# Altium PCB AD9361_EXT.PcbDoc (part 9 of 9)
Units mil, origin at the board's own origin, x right, y up, seen from the top; angles counter-clockwise.
Board outline 3145.03 x 1955.03 mil, 2 copper layers (Top Layer, Bottom Layer); 53 components, 59 nets, 286 pads, 253 vias.
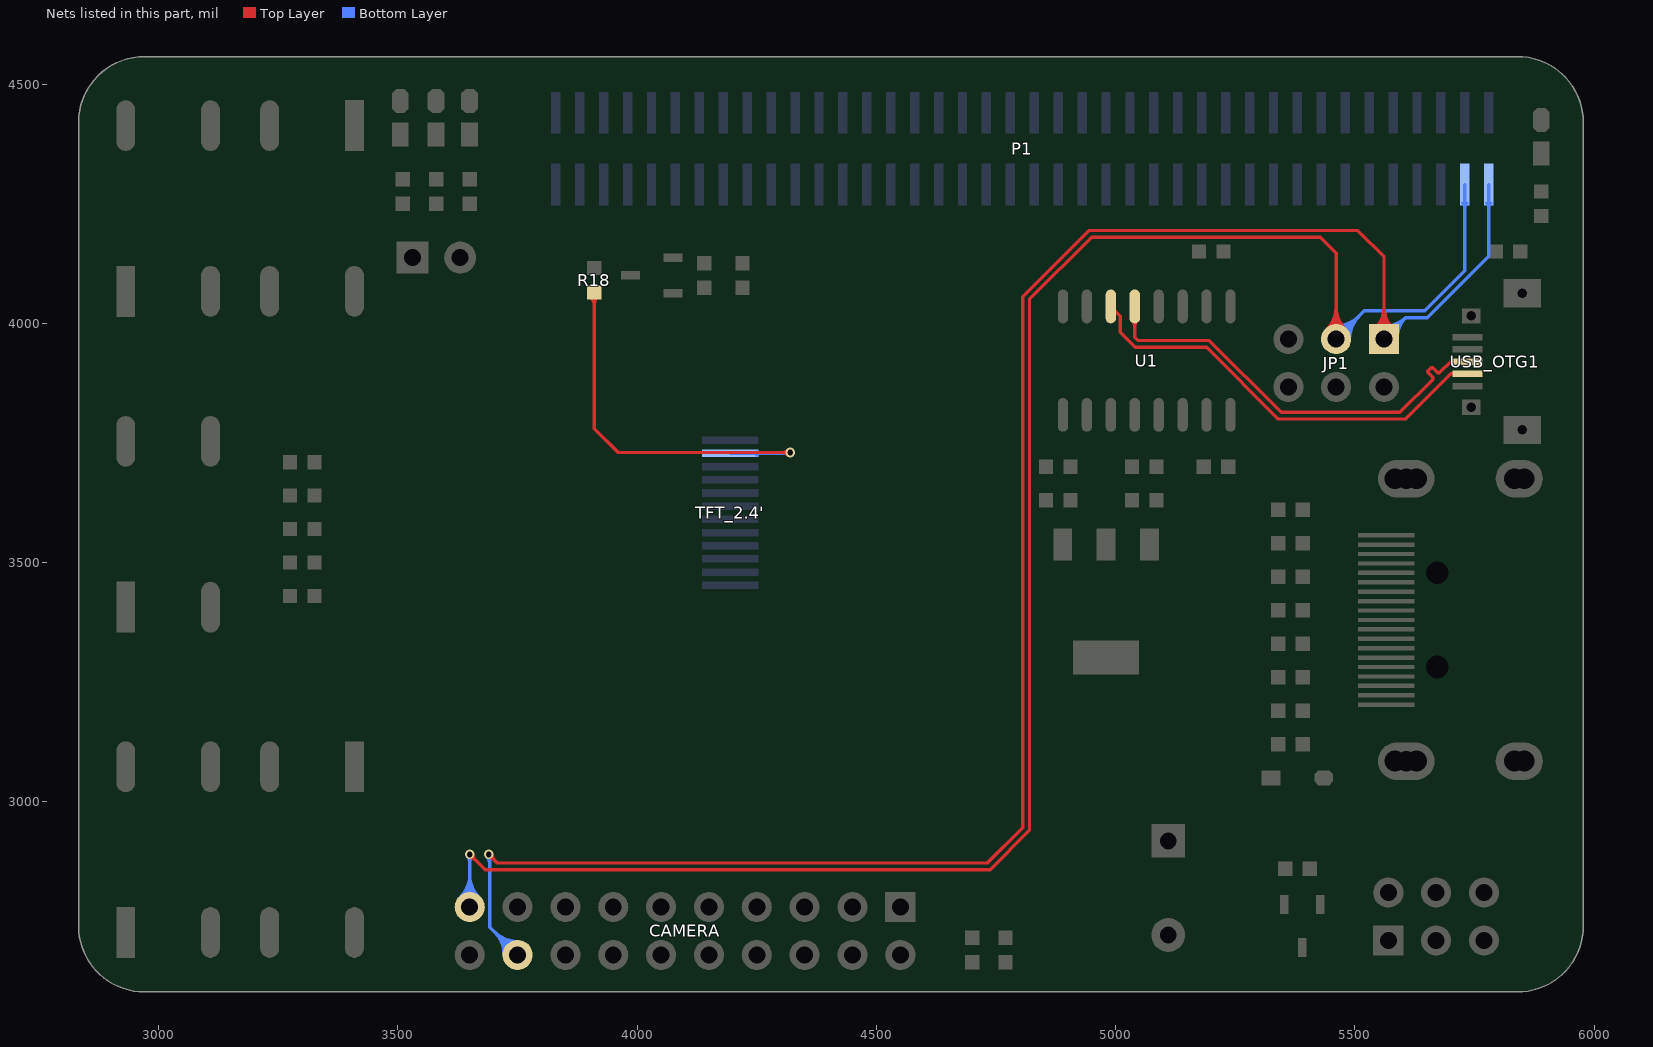
[diagram p9: the nets of this part, all layers, seen from the top]

## Via types
v1: diameter 20, hole 12, Top Layer to Bottom Layer, tented both sides, 253 vias

## Nets (pads, with @x,y where several pads share a name; then routed paths per layer and width w, separated by ;. In a path a pad name is that pad's centre, name@x,y a point inside that pad or via, vN(x,y) a via of type N, cw(c..) or ccw(c..) an arc to the next point about the centre after c; other vN are vias at no path point) (continued)
NetR18_1: R18.1 TFT_2.4'.2 | length 1278.9
  Top Layer w7: R18.1@3910,4064.4 3910,3780 3960,3730 v1(4320,3730) ; R18.1@3901.87,4056.27 cw(c3882.24,4036.64) 3910,4036.64 ; R18.1@3901.87,4056.27 cw(c3882.24,4036.64) 3910,4036.64 ; R18.1@3901.87,4056.27 cw(c3882.24,4036.64) 3910,4036.64 ; R18.1@3901.87,4056.27 cw(c3882.24,4036.64) 3910,4036.64 ; 3910,4036.64 cw(c3937.77,4036.64) R18.1@3918.13,4056.27 ; 3910,4036.64 cw(c3937.77,4036.64) R18.1@3918.13,4056.27 ; 3910,4036.64 cw(c3937.77,4036.64) R18.1@3918.13,4056.27 ; 3910,4036.64 cw(c3937.77,4036.64) R18.1@3918.13,4056.27 ; 4304.31,3730 cw(c4304.31,3714.31) v1@4315.4,3725.4 ; 4304.31,3730 ccw(c4304.31,3745.69) v1@4315.4,3734.6 ; 4304.31,3730 cw(c4304.31,3714.31) v1@4315.4,3725.4 ; 4304.31,3730 ccw(c4304.31,3745.69) v1@4315.4,3734.6 ; 4304.31,3730 cw(c4304.31,3714.31) v1@4315.4,3725.4 ; 4304.31,3730 ccw(c4304.31,3745.69) v1@4315.4,3734.6 ; 4304.31,3730 cw(c4304.31,3714.31) v1@4315.4,3725.4 ; 4304.31,3730 ccw(c4304.31,3745.69) v1@4315.4,3734.6
  Bottom Layer w7: TFT_2.4'.2@4195,3728.03 4318.03,3728.03 v1(4320,3730) ; TFT_2.4'.2@4249.27,3724.94 cw(c4256.74,3717.47) 4256.74,3728.03 ; TFT_2.4'.2@4249.27,3724.94 cw(c4256.74,3717.47) 4256.74,3728.03 ; TFT_2.4'.2@4249.27,3724.94 cw(c4256.74,3717.47) 4256.74,3728.03 ; TFT_2.4'.2@4249.27,3724.94 cw(c4256.74,3717.47) 4256.74,3728.03 ; TFT_2.4'.2@4249.27,3731.12 ccw(c4256.74,3738.59) 4256.74,3728.03 ; TFT_2.4'.2@4249.27,3731.12 ccw(c4256.74,3738.59) 4256.74,3728.03 ; TFT_2.4'.2@4249.27,3731.12 ccw(c4256.74,3738.59) 4256.74,3728.03 ; TFT_2.4'.2@4249.27,3731.12 ccw(c4256.74,3738.59) 4256.74,3728.03 ; 4299.55,3728.03 ccw(c4299.55,3750.45) v1@4315.4,3734.6 ; 4299.55,3728.03 ccw(c4299.55,3750.45) v1@4315.4,3734.6 ; 4299.55,3728.03 ccw(c4299.55,3750.45) v1@4315.4,3734.6 ; 4299.55,3728.03 ccw(c4299.55,3750.45) v1@4315.4,3734.6 ; 4309.06,3728.03 cw(c4309.06,3719.06) v1@4315.4,3725.4 ; 4309.06,3728.03 cw(c4309.06,3719.06) v1@4315.4,3725.4 ; 4309.06,3728.03 cw(c4309.06,3719.06) v1@4315.4,3725.4 ; 4309.06,3728.03 cw(c4309.06,3719.06) v1@4315.4,3725.4
RX: CAMERA.19 JP1.3 P1.78 | length 7138.9
  Top Layer w7: v1(3650,2890) 3682,2858 4738,2858 4820,2940 4820,4050 4950,4180 5427.4,4180 5461,4146.4 JP1.3@5461,3967 ; v1@3649.51,2889.9 ccw(c3660.24,2892.1) 3657.41,2881.52 ; v1@3649.51,2889.9 ccw(c3660.24,2892.1) 3657.41,2881.52 ; v1@3649.51,2889.9 ccw(c3660.24,2892.1) 3657.41,2881.52 ; v1@3649.51,2889.9 ccw(c3660.24,2892.1) 3657.41,2881.52 ; v1@3649.51,2889.9 ccw(c3660.24,2892.1) 3657.41,2881.52 ; v1@3649.51,2889.9 ccw(c3660.24,2892.1) 3657.41,2881.52 ; v1@3650,2883.5 cw(c3650,2867.81) 3661.1,2878.9 ; v1@3650,2883.5 cw(c3650,2867.81) 3661.1,2878.9 ; v1@3650,2883.5 cw(c3650,2867.81) 3661.1,2878.9 ; v1@3650,2883.5 cw(c3650,2867.81) 3661.1,2878.9 ; v1@3650.1,2890.49 cw(c3647.9,2879.76) 3658.48,2882.59 ; v1@3650.1,2890.49 cw(c3647.9,2879.76) 3658.48,2882.59 ; v1@3650.1,2890.49 cw(c3647.9,2879.76) 3658.48,2882.59 ; v1@3650.1,2890.49 cw(c3647.9,2879.76) 3658.48,2882.59 ; v1@3650.1,2890.49 cw(c3647.9,2879.76) 3658.48,2882.59 ; v1@3650.1,2890.49 cw(c3647.9,2879.76) 3658.48,2882.59 ; v1@3656.5,2890 ccw(c3672.19,2890) 3661.1,2878.9 ; v1@3656.5,2890 ccw(c3672.19,2890) 3661.1,2878.9 ; v1@3656.5,2890 ccw(c3672.19,2890) 3661.1,2878.9 ; v1@3656.5,2890 ccw(c3672.19,2890) 3661.1,2878.9 ; JP1.3@5441.2,3986.8 ccw(c5393.41,4034.59) 5461,4034.59 ; JP1.3@5441.2,3986.8 ccw(c5393.41,4034.59) 5461,4034.59 ; JP1.3@5441.2,3986.8 ccw(c5393.41,4034.59) 5461,4034.59 ; JP1.3@5441.2,3986.8 ccw(c5393.41,4034.59) 5461,4034.59 ; JP1.3@5446.15,3981.85 ccw(c5410.31,4017.69) 5461,4017.69 ; JP1.3@5446.15,3981.85 ccw(c5410.31,4017.69) 5461,4017.69 ; JP1.3@5446.15,3981.85 ccw(c5410.31,4017.69) 5461,4017.69 ; JP1.3@5446.15,3981.85 ccw(c5410.31,4017.69) 5461,4017.69 ; JP1.3@5451.1,3976.9 ccw(c5427.21,4000.79) 5461,4000.79 ; JP1.3@5451.1,3976.9 ccw(c5427.21,4000.79) 5461,4000.79 ; JP1.3@5451.1,3976.9 ccw(c5427.21,4000.79) 5461,4000.79 ; JP1.3@5451.1,3976.9 ccw(c5427.21,4000.79) 5461,4000.79 ; 5461,4000.79 ccw(c5494.79,4000.79) JP1.3@5470.9,3976.9 ; 5461,4000.79 ccw(c5494.79,4000.79) JP1.3@5470.9,3976.9 ; 5461,4000.79 ccw(c5494.79,4000.79) JP1.3@5470.9,3976.9 ; 5461,4000.79 ccw(c5494.79,4000.79) JP1.3@5470.9,3976.9 ; 5461,4017.69 ccw(c5511.69,4017.69) JP1.3@5475.85,3981.85 ; 5461,4017.69 ccw(c5511.69,4017.69) JP1.3@5475.85,3981.85 ; 5461,4017.69 ccw(c5511.69,4017.69) JP1.3@5475.85,3981.85 ; 5461,4017.69 ccw(c5511.69,4017.69) JP1.3@5475.85,3981.85 ; 5461,4034.59 ccw(c5528.59,4034.59) JP1.3@5480.8,3986.8 ; 5461,4034.59 ccw(c5528.59,4034.59) JP1.3@5480.8,3986.8 ; 5461,4034.59 ccw(c5528.59,4034.59) JP1.3@5480.8,3986.8 ; 5461,4034.59 ccw(c5528.59,4034.59) JP1.3@5480.8,3986.8
  Bottom Layer w7: CAMERA.19@3650,2780 v1(3650,2890) ; JP1.3@5461,3967 5520,4026 5646,4026 5730,4110 P1.78@5730,4290 ; CAMERA.19@3630.2,2799.8 ccw(c3582.41,2847.59) 3650,2847.59 ; CAMERA.19@3630.2,2799.8 ccw(c3582.41,2847.59) 3650,2847.59 ; CAMERA.19@3630.2,2799.8 ccw(c3582.41,2847.59) 3650,2847.59 ; CAMERA.19@3630.2,2799.8 ccw(c3582.41,2847.59) 3650,2847.59 ; CAMERA.19@3635.15,2794.85 ccw(c3599.31,2830.69) 3650,2830.69 ; CAMERA.19@3635.15,2794.85 ccw(c3599.31,2830.69) 3650,2830.69 ; CAMERA.19@3635.15,2794.85 ccw(c3599.31,2830.69) 3650,2830.69 ; CAMERA.19@3635.15,2794.85 ccw(c3599.31,2830.69) 3650,2830.69 ; CAMERA.19@3640.1,2789.9 ccw(c3616.21,2813.79) 3650,2813.79 ; CAMERA.19@3640.1,2789.9 ccw(c3616.21,2813.79) 3650,2813.79 ; CAMERA.19@3640.1,2789.9 ccw(c3616.21,2813.79) 3650,2813.79 ; CAMERA.19@3640.1,2789.9 ccw(c3616.21,2813.79) 3650,2813.79 ; v1@3645.4,2885.4 cw(c3634.31,2874.31) 3650,2874.31 ; v1@3645.4,2885.4 cw(c3634.31,2874.31) 3650,2874.31 ; v1@3645.4,2885.4 cw(c3634.31,2874.31) 3650,2874.31 ; v1@3645.4,2885.4 cw(c3634.31,2874.31) 3650,2874.31 ; 3650,2813.79 ccw(c3683.79,2813.79) CAMERA.19@3659.9,2789.9 ; 3650,2813.79 ccw(c3683.79,2813.79) CAMERA.19@3659.9,2789.9 ; 3650,2813.79 ccw(c3683.79,2813.79) CAMERA.19@3659.9,2789.9 ; 3650,2813.79 ccw(c3683.79,2813.79) CAMERA.19@3659.9,2789.9 ; 3650,2830.69 ccw(c3700.69,2830.69) CAMERA.19@3664.85,2794.85 ; 3650,2830.69 ccw(c3700.69,2830.69) CAMERA.19@3664.85,2794.85 ; 3650,2830.69 ccw(c3700.69,2830.69) CAMERA.19@3664.85,2794.85 ; 3650,2830.69 ccw(c3700.69,2830.69) CAMERA.19@3664.85,2794.85 ; 3650,2847.59 ccw(c3717.59,2847.59) CAMERA.19@3669.8,2799.8 ; 3650,2847.59 ccw(c3717.59,2847.59) CAMERA.19@3669.8,2799.8 ; 3650,2847.59 ccw(c3717.59,2847.59) CAMERA.19@3669.8,2799.8 ; 3650,2847.59 ccw(c3717.59,2847.59) CAMERA.19@3669.8,2799.8 ; 3650,2874.31 cw(c3665.69,2874.31) v1@3654.6,2885.4 ; 3650,2874.31 cw(c3665.69,2874.31) v1@3654.6,2885.4 ; 3650,2874.31 cw(c3665.69,2874.31) v1@3654.6,2885.4 ; 3650,2874.31 cw(c3665.69,2874.31) v1@3654.6,2885.4 ; JP1.3@5461,3981 ccw(c5461,4014.79) 5484.89,3990.89 ; JP1.3@5461,3981 ccw(c5461,4014.79) 5484.89,3990.89 ; JP1.3@5461,3981 ccw(c5461,4014.79) 5484.89,3990.89 ; JP1.3@5461,3981 ccw(c5461,4014.79) 5484.89,3990.89 ; JP1.3@5461,3988 ccw(c5461,4038.68) 5496.84,4002.84 ; JP1.3@5461,3988 ccw(c5461,4038.68) 5496.84,4002.84 ; JP1.3@5461,3988 ccw(c5461,4038.68) 5496.84,4002.84 ; JP1.3@5461,3988 ccw(c5461,4038.68) 5496.84,4002.84 ; JP1.3@5461,3995 ccw(c5461,4062.58) 5508.79,4014.79 ; JP1.3@5461,3995 ccw(c5461,4062.58) 5508.79,4014.79 ; JP1.3@5461,3995 ccw(c5461,4062.58) 5508.79,4014.79 ; JP1.3@5461,3995 ccw(c5461,4062.58) 5508.79,4014.79 ; JP1.3@5475,3967 cw(c5508.79,3967) 5484.89,3990.89 ; JP1.3@5475,3967 cw(c5508.79,3967) 5484.89,3990.89 ; JP1.3@5475,3967 cw(c5508.79,3967) 5484.89,3990.89 ; JP1.3@5475,3967 cw(c5508.79,3967) 5484.89,3990.89 ; JP1.3@5482,3967 cw(c5532.68,3967) 5496.84,4002.84 ; JP1.3@5482,3967 cw(c5532.68,3967) 5496.84,4002.84 ; JP1.3@5482,3967 cw(c5532.68,3967) 5496.84,4002.84 ; JP1.3@5482,3967 cw(c5532.68,3967) 5496.84,4002.84 ; JP1.3@5489,3967 cw(c5556.58,3967) 5508.79,4014.79 ; JP1.3@5489,3967 cw(c5556.58,3967) 5508.79,4014.79 ; JP1.3@5489,3967 cw(c5556.58,3967) 5508.79,4014.79 ; JP1.3@5489,3967 cw(c5556.58,3967) 5508.79,4014.79 ; P1.78@5725.52,4251.66 cw(c5714.69,4240.83) 5730,4240.83 ; P1.78@5725.52,4251.66 cw(c5714.69,4240.83) 5730,4240.83 ; P1.78@5725.52,4251.66 cw(c5714.69,4240.83) 5730,4240.83 ; P1.78@5725.52,4251.66 cw(c5714.69,4240.83) 5730,4240.83 ; 5730,4240.83 cw(c5745.31,4240.83) P1.78@5734.48,4251.66 ; 5730,4240.83 cw(c5745.31,4240.83) P1.78@5734.48,4251.66 ; 5730,4240.83 cw(c5745.31,4240.83) P1.78@5734.48,4251.66 ; 5730,4240.83 cw(c5745.31,4240.83) P1.78@5734.48,4251.66
TX: CAMERA.18 JP1.1 P1.80 | length 7166.5
  Top Layer w7: v1(3690,2890) 3708,2872 4732.2,2872 4806,2945.8 4806,4055.8 4944.2,4194 5506,4194 5561,4139 JP1.1@5561,3967 ; v1@3689.51,2889.9 ccw(c3700.24,2892.1) 3697.41,2881.52 ; v1@3689.51,2889.9 ccw(c3700.24,2892.1) 3697.41,2881.52 ; v1@3689.51,2889.9 ccw(c3700.24,2892.1) 3697.41,2881.52 ; v1@3689.51,2889.9 ccw(c3700.24,2892.1) 3697.41,2881.52 ; v1@3689.51,2889.9 ccw(c3700.24,2892.1) 3697.41,2881.52 ; v1@3689.51,2889.9 ccw(c3700.24,2892.1) 3697.41,2881.52 ; v1@3690,2883.5 cw(c3690,2867.81) 3701.1,2878.9 ; v1@3690,2883.5 cw(c3690,2867.81) 3701.1,2878.9 ; v1@3690,2883.5 cw(c3690,2867.81) 3701.1,2878.9 ; v1@3690,2883.5 cw(c3690,2867.81) 3701.1,2878.9 ; v1@3690.1,2890.49 cw(c3687.9,2879.76) 3698.48,2882.59 ; v1@3690.1,2890.49 cw(c3687.9,2879.76) 3698.48,2882.59 ; v1@3690.1,2890.49 cw(c3687.9,2879.76) 3698.48,2882.59 ; v1@3690.1,2890.49 cw(c3687.9,2879.76) 3698.48,2882.59 ; v1@3690.1,2890.49 cw(c3687.9,2879.76) 3698.48,2882.59 ; v1@3690.1,2890.49 cw(c3687.9,2879.76) 3698.48,2882.59 ; v1@3696.5,2890 ccw(c3712.19,2890) 3701.1,2878.9 ; v1@3696.5,2890 ccw(c3712.19,2890) 3701.1,2878.9 ; v1@3696.5,2890 ccw(c3712.19,2890) 3701.1,2878.9 ; v1@3696.5,2890 ccw(c3712.19,2890) 3701.1,2878.9 ; JP1.1@5541.2,3986.8 ccw(c5493.41,4034.59) 5561,4034.59 ; JP1.1@5541.2,3986.8 ccw(c5493.41,4034.59) 5561,4034.59 ; JP1.1@5541.2,3986.8 ccw(c5493.41,4034.59) 5561,4034.59 ; JP1.1@5541.2,3986.8 ccw(c5493.41,4034.59) 5561,4034.59 ; JP1.1@5546.15,3981.85 ccw(c5510.31,4017.69) 5561,4017.69 ; JP1.1@5546.15,3981.85 ccw(c5510.31,4017.69) 5561,4017.69 ; JP1.1@5546.15,3981.85 ccw(c5510.31,4017.69) 5561,4017.69 ; JP1.1@5546.15,3981.85 ccw(c5510.31,4017.69) 5561,4017.69 ; JP1.1@5551.1,3976.9 ccw(c5527.21,4000.79) 5561,4000.79 ; JP1.1@5551.1,3976.9 ccw(c5527.21,4000.79) 5561,4000.79 ; JP1.1@5551.1,3976.9 ccw(c5527.21,4000.79) 5561,4000.79 ; JP1.1@5551.1,3976.9 ccw(c5527.21,4000.79) 5561,4000.79 ; 5561,4000.79 ccw(c5594.79,4000.79) JP1.1@5570.9,3976.9 ; 5561,4000.79 ccw(c5594.79,4000.79) JP1.1@5570.9,3976.9 ; 5561,4000.79 ccw(c5594.79,4000.79) JP1.1@5570.9,3976.9 ; 5561,4000.79 ccw(c5594.79,4000.79) JP1.1@5570.9,3976.9 ; 5561,4017.69 ccw(c5611.69,4017.69) JP1.1@5575.85,3981.85 ; 5561,4017.69 ccw(c5611.69,4017.69) JP1.1@5575.85,3981.85 ; 5561,4017.69 ccw(c5611.69,4017.69) JP1.1@5575.85,3981.85 ; 5561,4017.69 ccw(c5611.69,4017.69) JP1.1@5575.85,3981.85 ; 5561,4034.59 ccw(c5628.59,4034.59) JP1.1@5580.8,3986.8 ; 5561,4034.59 ccw(c5628.59,4034.59) JP1.1@5580.8,3986.8 ; 5561,4034.59 ccw(c5628.59,4034.59) JP1.1@5580.8,3986.8 ; 5561,4034.59 ccw(c5628.59,4034.59) JP1.1@5580.8,3986.8
  Bottom Layer w7: v1(3690,2890) 3692,2888 3692,2738 CAMERA.18@3750,2680 ; JP1.1@5561,3967 5606,4012 ; P1.80@5780,4290 5780,4140.2 5651.8,4012 5606,4012 ; v1@3685.4,2885.4 cw(c3669.49,2869.49) 3692,2869.49 ; v1@3685.4,2885.4 cw(c3669.49,2869.49) 3692,2869.49 ; v1@3685.4,2885.4 cw(c3669.49,2869.49) 3692,2869.49 ; v1@3685.4,2885.4 cw(c3669.49,2869.49) 3692,2869.49 ; 3692,2879.13 cw(c3700.87,2879.13) v1@3694.6,2885.4 ; 3692,2879.13 cw(c3700.87,2879.13) v1@3694.6,2885.4 ; 3692,2879.13 cw(c3700.87,2879.13) v1@3694.6,2885.4 ; 3692,2879.13 cw(c3700.87,2879.13) v1@3694.6,2885.4 ; 3702.21,2727.79 cw(c3654.42,2680) CAMERA.18@3722,2680 ; 3702.21,2727.79 ccw(c3750,2775.58) CAMERA.18@3750,2708 ; 3702.21,2727.79 cw(c3654.42,2680) CAMERA.18@3722,2680 ; 3702.21,2727.79 ccw(c3750,2775.58) CAMERA.18@3750,2708 ; 3702.21,2727.79 cw(c3654.42,2680) CAMERA.18@3722,2680 ; 3702.21,2727.79 ccw(c3750,2775.58) CAMERA.18@3750,2708 ; 3702.21,2727.79 cw(c3654.42,2680) CAMERA.18@3722,2680 ; 3702.21,2727.79 ccw(c3750,2775.58) CAMERA.18@3750,2708 ; 3714.16,2715.84 cw(c3678.32,2680) CAMERA.18@3729,2680 ; 3714.16,2715.84 ccw(c3750,2751.68) CAMERA.18@3750,2701 ; 3714.16,2715.84 cw(c3678.32,2680) CAMERA.18@3729,2680 ; 3714.16,2715.84 ccw(c3750,2751.68) CAMERA.18@3750,2701 ; 3714.16,2715.84 cw(c3678.32,2680) CAMERA.18@3729,2680 ; 3714.16,2715.84 ccw(c3750,2751.68) CAMERA.18@3750,2701 ; 3714.16,2715.84 cw(c3678.32,2680) CAMERA.18@3729,2680 ; 3714.16,2715.84 ccw(c3750,2751.68) CAMERA.18@3750,2701 ; 3726.11,2703.89 cw(c3702.21,2680) CAMERA.18@3736,2680 ; 3726.11,2703.89 ccw(c3750,2727.79) CAMERA.18@3750,2694 ; 3726.11,2703.89 cw(c3702.21,2680) CAMERA.18@3736,2680 ; 3726.11,2703.89 ccw(c3750,2727.79) CAMERA.18@3750,2694 ; 3726.11,2703.89 cw(c3702.21,2680) CAMERA.18@3736,2680 ; 3726.11,2703.89 ccw(c3750,2727.79) CAMERA.18@3750,2694 ; 3726.11,2703.89 cw(c3702.21,2680) CAMERA.18@3736,2680 ; 3726.11,2703.89 ccw(c3750,2727.79) CAMERA.18@3750,2694 ; JP1.1@5561.61,3980.98 ccw(c5562.88,4010.11) JP1.1@5583.5,3989.5 ; JP1.1@5561.61,3980.98 ccw(c5562.88,4010.11) JP1.1@5583.5,3989.5 ; JP1.1@5561.61,3980.98 ccw(c5562.88,4010.11) JP1.1@5583.5,3989.5 ; JP1.1@5561.61,3980.98 ccw(c5562.88,4010.11) JP1.1@5583.5,3989.5 ; JP1.1@5561.91,3987.98 ccw(c5563.82,4031.68) 5594.75,4000.75 ; JP1.1@5561.91,3987.98 ccw(c5563.82,4031.68) 5594.75,4000.75 ; JP1.1@5561.91,3987.98 ccw(c5563.82,4031.68) 5594.75,4000.75 ; JP1.1@5561.91,3987.98 ccw(c5563.82,4031.68) 5594.75,4000.75 ; JP1.1@5562.22,3994.97 ccw(c5564.75,4053.24) 5606,4012 ; JP1.1@5562.22,3994.97 ccw(c5564.75,4053.24) 5606,4012 ; JP1.1@5562.22,3994.97 ccw(c5564.75,4053.24) 5606,4012 ; JP1.1@5562.22,3994.97 ccw(c5564.75,4053.24) 5606,4012 ; JP1.1@5574.98,3967.61 cw(c5604.11,3968.88) JP1.1@5583.5,3989.5 ; JP1.1@5574.98,3967.61 cw(c5604.11,3968.88) JP1.1@5583.5,3989.5 ; JP1.1@5574.98,3967.61 cw(c5604.11,3968.88) JP1.1@5583.5,3989.5 ; JP1.1@5574.98,3967.61 cw(c5604.11,3968.88) JP1.1@5583.5,3989.5 ; JP1.1@5581.98,3967.91 cw(c5625.68,3969.82) 5594.75,4000.75 ; JP1.1@5581.98,3967.91 cw(c5625.68,3969.82) 5594.75,4000.75 ; JP1.1@5581.98,3967.91 cw(c5625.68,3969.82) 5594.75,4000.75 ; JP1.1@5581.98,3967.91 cw(c5625.68,3969.82) 5594.75,4000.75 ; JP1.1@5588.97,3968.22 cw(c5647.24,3970.75) 5606,4012 ; JP1.1@5588.97,3968.22 cw(c5647.24,3970.75) 5606,4012 ; JP1.1@5588.97,3968.22 cw(c5647.24,3970.75) 5606,4012 ; JP1.1@5588.97,3968.22 cw(c5647.24,3970.75) 5606,4012 ; P1.80@5775.52,4251.66 cw(c5764.69,4240.83) 5780,4240.83 ; P1.80@5775.52,4251.66 cw(c5764.69,4240.83) 5780,4240.83 ; P1.80@5775.52,4251.66 cw(c5764.69,4240.83) 5780,4240.83 ; P1.80@5775.52,4251.66 cw(c5764.69,4240.83) 5780,4240.83 ; 5780,4240.83 cw(c5795.31,4240.83) P1.80@5784.48,4251.66 ; 5780,4240.83 cw(c5795.31,4240.83) P1.80@5784.48,4251.66 ; 5780,4240.83 cw(c5795.31,4240.83) P1.80@5784.48,4251.66 ; 5780,4240.83 cw(c5795.31,4240.83) P1.80@5784.48,4251.66
USB_D_N: U1.6 USB_OTG1.2 | length 953.7
  Top Layer w7: U1.6@4990,4035.27 5010,4015.27 5010,3981.38 5041.38,3950 5190.2,3950 5340.2,3800 5605.59,3800 5700,3894.41 USB_OTG1.2@5735.83,3894.41 ; 5703.04,3894.41 cw(c5703.04,3886.23) USB_OTG1.2@5708.82,3892.01 ; 5703.04,3894.41 ccw(c5703.04,3902.59) USB_OTG1.2@5708.82,3896.81 ; 5703.04,3894.41 cw(c5703.04,3886.23) USB_OTG1.2@5708.82,3892.01 ; 5703.04,3894.41 ccw(c5703.04,3902.59) USB_OTG1.2@5708.82,3896.81 ; 5703.04,3894.41 cw(c5703.04,3886.23) USB_OTG1.2@5708.82,3892.01 ; 5703.04,3894.41 ccw(c5703.04,3902.59) USB_OTG1.2@5708.82,3896.81 ; 5703.04,3894.41 cw(c5703.04,3886.23) USB_OTG1.2@5708.82,3892.01 ; 5703.04,3894.41 ccw(c5703.04,3902.59) USB_OTG1.2@5708.82,3896.81
USB_D_P: U1.5 USB_OTG1.3 | length 1064.8
  Top Layer w7: U1.5@5040,4035.27 5040,3971.18 5047.18,3964 5196,3964 5346,3814 5594,3814 5662.47,3882.47 ccw(c5660,3884.95) 5662.47,3887.42 5653.52,3896.37 cw(c5656,3898.85) 5653.52,3901.32 5658.47,3906.27 cw(c5660.95,3903.8) 5663.42,3906.27 5672.37,3897.32 ccw(c5674.85,3899.8) 5677.32,3897.32 5700,3920 USB_OTG1.3@5735.83,3920 ; U1.5@5034.82,4005.48 cw(c5022.31,3992.97) 5040,3992.97 ; U1.5@5034.82,4005.48 cw(c5022.31,3992.97) 5040,3992.97 ; U1.5@5034.82,4005.48 cw(c5022.31,3992.97) 5040,3992.97 ; U1.5@5034.82,4005.48 cw(c5022.31,3992.97) 5040,3992.97 ; 5040,3992.97 cw(c5057.69,3992.97) U1.5@5045.18,4005.48 ; 5040,3992.97 cw(c5057.69,3992.97) U1.5@5045.18,4005.48 ; 5040,3992.97 cw(c5057.69,3992.97) U1.5@5045.18,4005.48 ; 5040,3992.97 cw(c5057.69,3992.97) U1.5@5045.18,4005.48 ; 5703.04,3920 cw(c5703.04,3911.82) USB_OTG1.3@5708.82,3917.6 ; 5703.04,3920 ccw(c5703.04,3928.18) USB_OTG1.3@5708.82,3922.4 ; 5703.04,3920 cw(c5703.04,3911.82) USB_OTG1.3@5708.82,3917.6 ; 5703.04,3920 ccw(c5703.04,3928.18) USB_OTG1.3@5708.82,3922.4 ; 5703.04,3920 cw(c5703.04,3911.82) USB_OTG1.3@5708.82,3917.6 ; 5703.04,3920 ccw(c5703.04,3928.18) USB_OTG1.3@5708.82,3922.4 ; 5703.04,3920 cw(c5703.04,3911.82) USB_OTG1.3@5708.82,3917.6 ; 5703.04,3920 ccw(c5703.04,3928.18) USB_OTG1.3@5708.82,3922.4
pads on no net: P1.1 P1.3 P1.5 P1.7 P1.9 P1.11 P1.69 P1.71 P1.73 P1.75 P1.77 P1.79 U1.7 U1.8 U1.9 U1.10 U1.11 U1.12 U1.13 U1.14 U1.15 U2.13 U2.14 U2.15 U2.16 U2.19 U2.MH5 U2.MH6 USB_OTG1.4

## Polygon pours and split planes (outlines as drawn)
GND on Top Layer "Top Overlay-No Net" (solid, remove dead copper, pour order 6): 2970,4550 2961.42,4550 ccw(c2961.42,4450) 2890.71,4520.71 2880,4510 2869.29,4499.29 ccw(c2940,4428.58) 2840,4428.58 2840,4400 2840,2740 2840,2731.42 ccw(c2940,2731.42) 2869.29,2660.71 2870,2660 2890.71,2639.29 ccw(c2961.42,2710) 2961.42,2610 2970,2610 5840,2610 5848.58,2610 ccw(c5848.58,2710) 5919.29,2639.29 5930,2650 5940.71,2660.71 ccw(c5870,2731.42) 5970,2731.42 5970,2740 5970,4420 5970,4428.58 ccw(c5870,4428.58) 5940.71,4499.29 5940,4500 5919.29,4520.71 ccw(c5848.58,4450) 5848.58,4550 5840,4550
GND on Bottom Layer "Top Overlay-No Net" (solid, remove dead copper, pour order 8): 2980,4550 2961.42,4550 ccw(c2961.42,4450) 2890.71,4520.71 2860,4490 ccw(c2908.28,4441.72) 2840,4441.72 2840,4420 2840,2740 2840,2731.42 ccw(c2940,2731.42) 2869.29,2660.71 2870,2660 2890.71,2639.29 ccw(c2961.42,2710) 2961.42,2610 2970,2610 5840,2610 5848.58,2610 ccw(c5848.58,2710) 5919.29,2639.29 5930,2650 5940.71,2660.71 ccw(c5870,2731.42) 5970,2731.42 5970,2740 5970,4380 5970,4420 5970,4441.72 ccw(c5901.72,4441.72) 5950,4490 5919.29,4520.71 ccw(c5848.58,4450) 5848.58,4550 5840,4550

## Keep-outs
Keep-Out Layer:
  lines w10: 4650,3040 ccw(c4665,3055) 4680,3040 4680,4010 ccw(c4665,3995) 4650,4010 4650,3040
  lines w15: 2840,4420 cw(c2970,4420) 2970,4550 5840,4550 cw(c5840,4420) 5970,4420 5970,4380 5970,2740 cw(c5840,2740) 5840,2610 5810,2610 5780,2610 2970,2610 cw(c2970,2740) 2840,2740 2840,4400 2840,4430

## Silkscreen, mask and mechanical layers (free items; w line width, h text height)
Top Overlay:
  lines w10: 3590,2920 4600,2920 ; 3700,2630 3700,2830 ; 3700,2840 3700,3000 ; 3800,2630 3800,2640 3800,2830 ; 3800,2840 3800,3000 ; 3900,2630 3900,2830 ; 3900,2840 3900,3000 ; 4000,2630 4000,2830 ; 4000,2840 4000,3000 ; 4100,2630 4100,2830 ; 4100,2840 4100,3000 ; 4200,2630 4200,2830 ; 4200,2840 4200,3000 ; 4300,2630 4300,2830 ; 4300,2840 4300,3000 ; 4370,4040 4370,4210 ; 4400,2630 4400,2830 ; 4400,2840 4400,3000 ; 4430,4040 4430,4210 ; 4490,4039.45 4490,4210 ; 4500,2630 4500,2830 ; 4500,2840 4500,3000 ; 4540,4040 4540,4210 ; 4590,4040 4590,4210 ; 4650,4040 4650,4210 ; 4710,4040 4710,4210 ; 4780,2970 4870,2970 ; 4850,4250 4850,4480 ; 5310,4180 5391.18,4180 ; 5390,4030 5391.18,4031.18 5391.18,4180 ; 5510,4030 5510,4170 5510,4179.41 ; 5520,2950 5840,2950 ; 5520,4230 5850,4230 5850,4500 5840,4500 5520,4500 ; 5610,4180 5391.18,4180 ; 5620,2870 5620,3030 ; 5720,2870 5720,3030 ; 3910,4230 5510,4230 5510,4500 3910,4500 3910,4230 ; 4770,2780 4870,2780 4870,3110 4770,3110 4770,2780
  text "ZYNQ AD9361 Ext" at 3930,4390 h120
  text "Designed By" at 4870,4390 h120
  text "WWW.LHR.XYZ" at 4030,4280 h120
  text "刘皓然" at 4870,4270 h120
  text "&" at 5220,4270 h120
  text "AD" at 5330,4270 h120
  text "CLK_N:W20" at 5550,4240 h40 r90
  text "CLK_P:W21" at 5590,4240 h40 r90
  text "DATA0_N:W22" at 5630,4240 h40 r90
  text "DATA0_P:V22" at 5670,4240 h40 r90
  text "DATA1:_N:V20" at 5710,4240 h40 r90
  text "DATA1_P:U20" at 5750,4240 h40 r90
  text "DATA2_N:U22" at 5790,4240 h40 r90
  text "DATA2_P:T22" at 5830,4240 h40 r90
  text "GND" at 5360,4050 h40 r90
  text "BL:AA14" at 4420,4040 h50 r90
  text "DC:AB14" at 4480,4040 h50 r90
  text "CS:AB15" at 4530,4040 h50 r90
  text "SCL:Y15" at 4580,4040 h50 r90
  text "SDA:W15" at 4630,4040 h45 r90
  text "RES:AA16" at 4700,4040 h42 r90
  text "RX:U21" at 5470,4030 h40 r90
  text "TX:T21" at 5570,4030 h40 r90
  text "Y14" at 4840,2990 h70 r90
  text "5V" at 5590,2970 h50 r90
  text "3V3" at 5680,2960 h45 r90
  text "GND" at 5790,2960 h35 r90
  text "U21" at 3650,2940 h33 r90
  text "U17" at 3960,2940 h33 r90
  text "V19" at 4160,2940 h33 r90
  text "Y21" at 4360,2940 h33 r90
  text "AB16" at 3760,2930 h33 r90
  text "AB17" at 3860,2930 h33 r90
  text "AB20" at 4060,2930 h33 r90
  text "AA21" at 4260,2930 h33 r90
  text "AA22" at 4460,2930 h33 r90
  text "GND" at 4560,2930 h33 r90
  text "5V" at 5590,2880 h50 r90
  text "3V3" at 5680,2870 h45 r90
  text "GND" at 5790,2870 h35 r90
  text "V15" at 3650,2850 h33 r90
  text "T21" at 3760,2850 h33 r90
  text "V17" at 3960,2850 h33 r90
  text "V18" at 4160,2850 h33 r90
  text "Y20" at 4360,2850 h33 r90
  text "3V3" at 4560,2850 h33 r90
  text "AA17" at 3860,2840 h33 r90
  text "AB19" at 4060,2840 h33 r90
  text "AB21" at 4260,2840 h33 r90
  text "AB22" at 4460,2840 h33 r90
  text "BEEP" at 4840,2790 h70 r90
Bottom Overlay:
  text "O" at 5340,3870 h500 r90
  text "W" at 5250,3540 h500 r90
  text "w" at 3500,3390 h500 r90
  text "A" at 5310,3140 h500 r90
Mechanical 1:
  lines w10: 4650,3040 ccw(c4665,3055) 4680,3040 4680,4010 ccw(c4665,3995) 4650,4010 4650,3040
  lines w15: 2840,2740 ccw(c2970,2740) 2970,2610 5840,2610 ccw(c5840,2740) 5970,2740 5970,4420 ccw(c5840,4420) 5840,4550 2970,4550 ccw(c2970,4420) 2840,4420 2840,2740

## Text inside footprints (layer, text, board x,y; h text height)
USB_OTG1: Top Overlay "USB" at 5880,3900 h25 r90